# Altium PCB RTM_SFP_no-teardrops.PcbDoc (part 1 of 7) (continued)
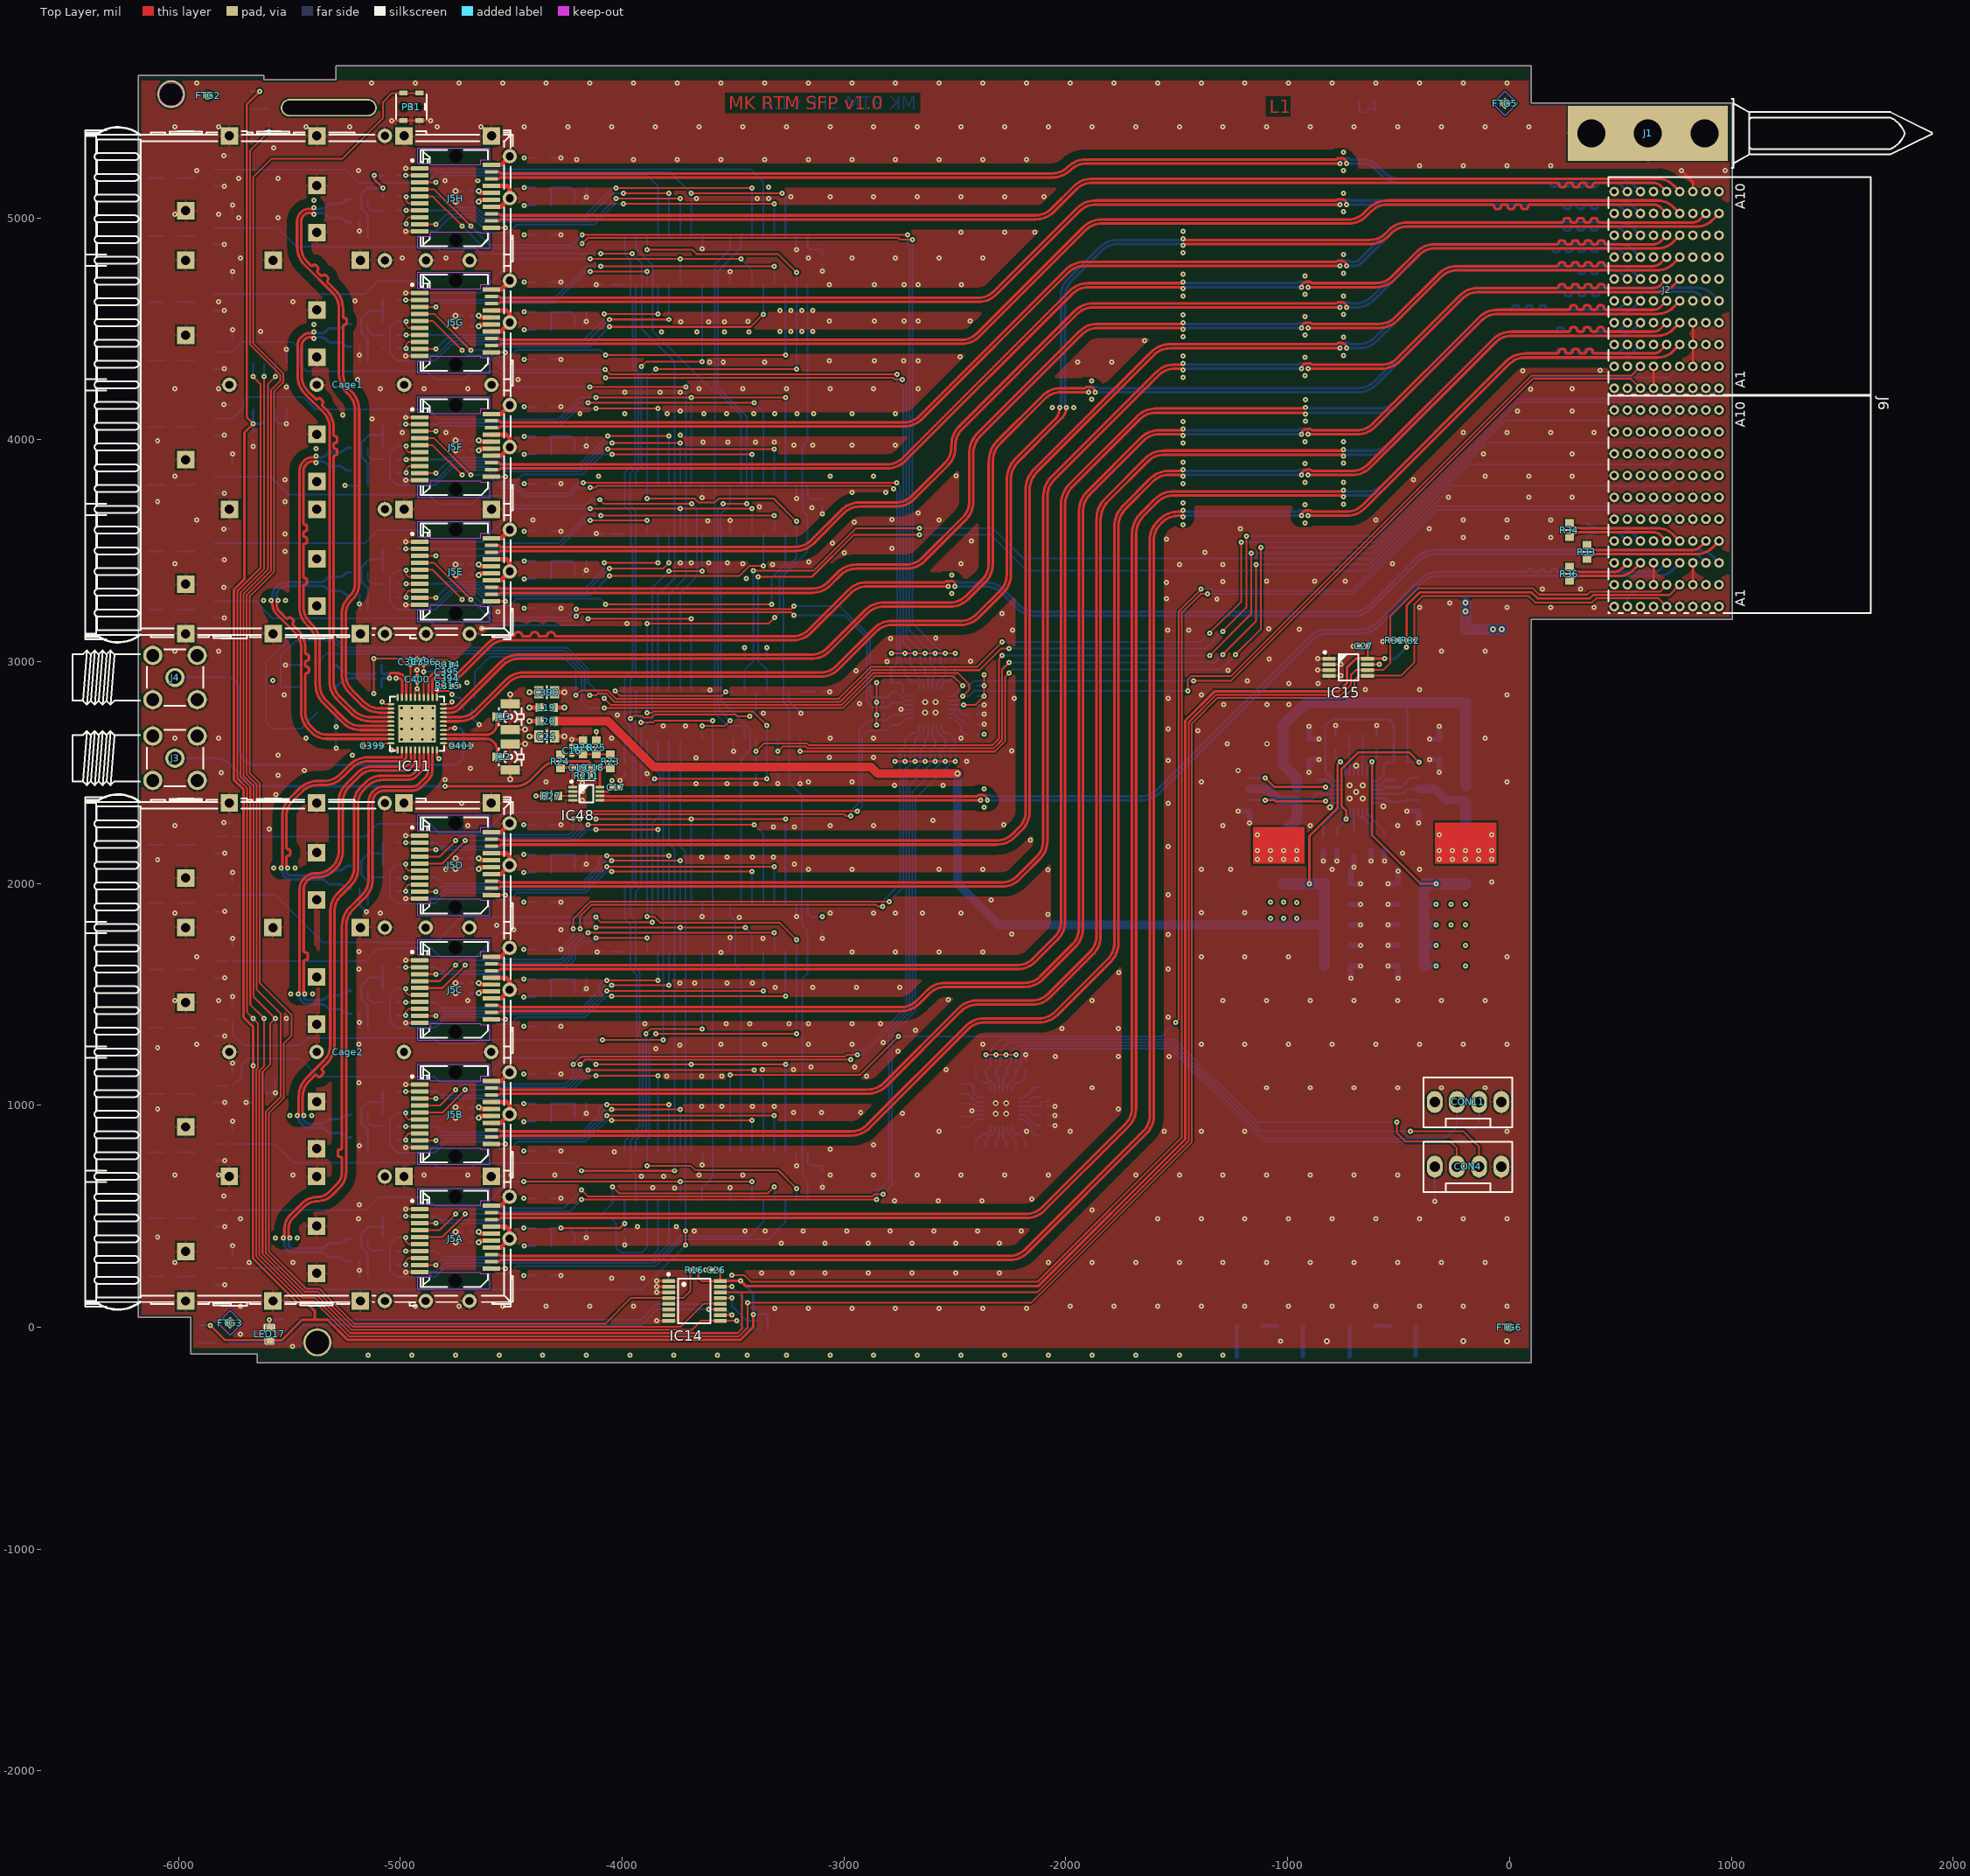
[diagram p0: Top Layer view]
## Components (designator, comment, footprint, x,y, rotation, side; value= is the part's Value field where it differs from the comment) (continued)
C393 "100nF" CAPC0603X33N -5098.82,2919.68 r180 bottom
C394 "100nF" CAPC0603X33N -4790.16,2923.23 r0 top
C395 "100nF" CAPC0603X33N -4790.16,2952.76 r0 top
C396 "100nF" CAPC0603X33N -4894.88,2998.03 r270 top
C397 "100nF" CAPC0603X33N -4953.94,2998.03 r270 top
C399 "100nF" CAPC0603X33N -5124.41,2621.26 r0 top
C400 "100nF" CAPC0603X33N -4924.41,2920.47 r270 top
C401 "100nF" CAPC0603X33N -4724.41,2621.26 r180 top
C402 "100nF" CAPC0603X33N -2098.48,995.67 r180 bottom
C403 "100nF" CAPC0603X33N -337.02,609.84 r90 bottom
C404 "100nF" CAPC0603X33N -2416.93,2803.94 r180 bottom
Cage1 "SFP+" TYCO_2007132-1 -4750.99,4247.5 r0 top locked
Cage2 "SFP+" TYCO_2007132-1 -4751.55,1240.4 r0 top locked
CON4 "WF04S-LF" CON_WF04S-LF -187.02,723.87 r90 top
CON11 "WF04S-LF" CON_WF04S-LF -187.02,1015.21 r90 top
F1 "1.5A-15V" FUSR_TYCO_SMD150F-2 -197.64,2980.71 r270 bottom
FTG1 "Use only in PCB" FIDUCIAL_TOP_S100-200 -5767.72,19.68 r270 bottom
FTG2 "Use only in PCB" FIDUCIAL_TOP_C100-200 -5866.14,5551.18 r90 top
FTG3 "Use only in PCB" FIDUCIAL_TOP_S100-200 -5767.72,19.68 r90 top
FTG4 "Use only in PCB" FIDUCIAL_TOP_C100-200 0,0 r270 bottom
FTG5 "Use only in PCB" FIDUCIAL_TOP_S100-200 -19.68,5515.75 r90 top
FTG6 "Use only in PCB" FIDUCIAL_TOP_C100-200 0,0 r90 top
FTG7 "Use only in PCB" FIDUCIAL_TOP_S100-200 -19.68,5515.75 r270 bottom
FTG8 "Use only in PCB" FIDUCIAL_TOP_C100-200 -5866.14,5551.18 r270 bottom
IC1 "74HC04D" SOIC127P600X175-14N -3348.03,2757.87 r90 bottom locked
IC2 "74HC165D" SOIC127P600X175-16N -3339.17,4808.52 r90 bottom locked
IC3 "74HC4094D" SO-16 -3988.78,4918.52 r270 bottom locked
IC4 "74HC4094D" SO-16 -3988.78,3796.47 r270 bottom locked
IC5 "74HC165D" SOIC127P600X175-16N -3339.17,3686.47 r90 bottom locked
IC6 "74HC4094D" SO-16 -3988.78,1911.43 r270 bottom locked
IC7 "74HC165D" SOIC127P600X175-16N -3339.17,1801.43 r90 bottom locked
IC8 "74HC4094D" SO-16 -3988.78,789.38 r270 bottom locked
IC9 "74HC165D" SOIC127P600X175-16N -3339.17,679.38 r90 bottom locked
IC10 "74HC4094D" SO-16 -3988.78,2867.13 r270 bottom locked
IC11 "nm (CDCLVD1212RHAT)" QFN50P600-40 -4924.41,2720.08 r270 top locked
IC12 "LM75AIM" SOIC127P600X175-8N -5588.8,1223.87 r270 bottom
IC13 "LM75AIM" SOIC127P600X175-8N -5588.8,4239.62 r270 bottom
IC14 "PCA9554DB" SOP65P640X120-16N -3674.41,118.5 r0 top
IC15 "24LC64-I/MS" SOP65P490X110-8N -725.98,2974.8 r0 top
IC16 "TPS53126RGET" QFN50P400X400X100-25N-S255 -691.34,2412.6 r270 bottom locked
IC20A "SN65LVDS2DBVR" SOT95P280X145-5N -5184.25,346.41 r90 bottom (schematic designator IC20)
IC20B "SN65LVDS2DBVR" SOT95P280X145-5N -5184.25,907.48 r90 bottom (schematic designator IC20)
IC20C "SN65LVDS2DBVR" SOT95P280X145-5N -5184.25,1464.57 r90 bottom (schematic designator IC20)
IC20D "SN65LVDS2DBVR" SOT95P280X145-5N -5184.25,2027.56 r90 bottom (schematic designator IC20)
IC20E "SN65LVDS2DBVR" SOT95P280X145-5N -5184.25,3350.39 r90 bottom (schematic designator IC20)
IC20F "SN65LVDS2DBVR" SOT95P280X145-5N -5184.25,3911.81 r90 bottom (schematic designator IC20)
IC20G "SN65LVDS2DBVR" SOT95P280X145-5N -5184.25,4470.87 r90 bottom (schematic designator IC20)
IC20H "SN65LVDS2DBVR" SOT95P280X145-5N -5184.25,5031.5 r90 bottom (schematic designator IC20)
IC39 "MAX7357ETG+" HVQFN24 -2610.97,2794.1 r90 bottom locked
IC40 "MAX7357ETG+" HVQFN24 -2292.52,985.83 r90 bottom locked
IC48 "FIN1101K8X" US8 -4161.42,2403.94 r0 top
J1 "Family" TYCO_1469265-1 624,5381.35 r0 top
J2 "Family" TYCO_6469183-1 708.66,4675.2 r0 top locked
J3 "SMA" "HUBER-SUHNER_85 SMA-50-0-101/111 NE" -6016.16,2564.43 r180 top locked
J4 "SMA" "HUBER-SUHNER_85 SMA-50-0-101/111 NE" -6016.16,2928.2 r180 top locked
J5A "SFP+" TYCO_1888247-1 -4751.56,398.87 r0 top locked (schematic designator J5)
J5B "SFP+" TYCO_1888247-1 -4751.56,959.89 r0 top locked (schematic designator J5)
J5C "SFP+" TYCO_1888247-1 -4751.56,1520.91 r0 top locked (schematic designator J5)
J5D "SFP+" TYCO_1888247-1 -4751.56,2081.94 r0 top locked (schematic designator J5)
J5E "SFP+" TYCO_1888247-1 -4751,3405.96 r0 top locked (schematic designator J5)
J5F "SFP+" TYCO_1888247-1 -4751,3966.98 r0 top locked (schematic designator J5)
J5G "SFP+" TYCO_1888247-1 -4751,4528.01 r0 top locked (schematic designator J5)
J5H "SFP+" TYCO_1888247-1 -4751,5089.03 r0 top locked (schematic designator J5)
J6 "Family" TYCO_6469183-1 708.66,3690.95 r0 top locked
J12 "U.FL" HIROSE_U.FL-R-SMT-1(10) -4504.72,2570.47 r270 top locked
J13 "U.FL" HIROSE_U.FL-R-SMT-1(10) -4504.72,2751.57 r270 top locked
L1 "1.5uH" INDM6965X300N -197.64,2112.99 r270 bottom
L2 "1.5uH" INDM6965X300N -1018.5,2112.99 r270 bottom
L5A "220R@100MHz" INDC2012X105N -4356.3,446.84 r180 bottom (schematic designator L5)
L5B "220R@100MHz" INDC2012X105N -4356.3,1007.87 r180 bottom (schematic designator L5)
L5C "220R@100MHz" INDC2012X105N -4356.3,1568.89 r180 bottom (schematic designator L5)
L5D "220R@100MHz" INDC2012X105N -4356.3,2129.91 r180 bottom (schematic designator L5)
L5E "220R@100MHz" INDC2012X105N -4356.3,3453.94 r180 bottom (schematic designator L5)
L5F "220R@100MHz" INDC2012X105N -4356.3,4014.96 r180 bottom (schematic designator L5)
L5G "220R@100MHz" INDC2012X105N -4356.3,4575.98 r180 bottom (schematic designator L5)
L5H "220R@100MHz" INDC2012X105N -4356.3,5137.01 r180 bottom (schematic designator L5)
L11A "220R@100MHz" INDC2012X105N -4356.3,366.13 r180 bottom (schematic designator L11)
L11B "220R@100MHz" INDC2012X105N -4356.3,927.16 r180 bottom (schematic designator L11)
L11C "220R@100MHz" INDC2012X105N -4356.3,1488.18 r180 bottom (schematic designator L11)
L11D "220R@100MHz" INDC2012X105N -4356.3,2049.21 r180 bottom (schematic designator L11)
L11E "220R@100MHz" INDC2012X105N -4356.3,3373.23 r180 bottom (schematic designator L11)
L11F "220R@100MHz" INDC2012X105N -4356.3,3934.25 r180 bottom (schematic designator L11)
L11G "220R@100MHz" INDC2012X105N -4356.3,4495.28 r180 bottom (schematic designator L11)
L11H "220R@100MHz" INDC2012X105N -4356.3,5056.3 r180 bottom (schematic designator L11)
L19 "390R@100MHz" INDC1608X95N -4339.76,2792.52 r180 top
L20 "390R@100MHz" INDC1608X95N -4339.76,2731.5 r180 top
LD1A "GREEN" LED_AVAGO_HSME-C120 -6137.22,529.48 r90 bottom (schematic designator LD1)
LD1B "GREEN" LED_AVAGO_HSME-C120 -6137.8,1090.55 r90 bottom (schematic designator LD1)
LD1C "GREEN" LED_AVAGO_HSME-C120 -6137.8,1651.57 r90 bottom (schematic designator LD1)
LD1D "GREEN" LED_AVAGO_HSME-C120 -6137.8,2212.6 r90 bottom (schematic designator LD1)
LD1E "GREEN" LED_AVAGO_HSME-C120 -6138.78,3536.42 r90 bottom (schematic designator LD1)
LD1F "GREEN" LED_AVAGO_HSME-C120 -6138.78,4097.44 r90 bottom (schematic designator LD1)
LD1G "GREEN" LED_AVAGO_HSME-C120 -6138.78,4658.46 r90 bottom (schematic designator LD1)
LD1H "GREEN" LED_AVAGO_HSME-C120 -6138.78,5219.49 r90 bottom (schematic designator LD1)
LD2A "Red" LED_AVAGO_HSMC-C120 -6137.22,267.67 r90 bottom (schematic designator LD2)
LD2B "Red" LED_AVAGO_HSMC-C120 -6137.8,828.74 r90 bottom (schematic designator LD2)
LD2C "Red" LED_AVAGO_HSMC-C120 -6137.8,1389.76 r90 bottom (schematic designator LD2)
LD2D "Red" LED_AVAGO_HSMC-C120 -6137.8,1950.79 r90 bottom (schematic designator LD2)
LD2E "Red" LED_AVAGO_HSMC-C120 -6138.78,3274.61 r90 bottom (schematic designator LD2)
LD2F "Red" LED_AVAGO_HSMC-C120 -6138.78,3835.63 r90 bottom (schematic designator LD2)
LD2G "Red" LED_AVAGO_HSMC-C120 -6138.78,4396.65 r90 bottom (schematic designator LD2)
LD2H "Red" LED_AVAGO_HSMC-C120 -6138.78,4957.68 r90 bottom (schematic designator LD2)
LDx "GREEN" LED_AVAGO_HSME-C120 -5909.5,-31.05 r90 bottom
LDy "HSMR-C120" LED_AVAGO_HSME-C120 -5675.25,5530.96 r90 bottom
LED17 "LED0603-P-RW120 or LYN971-Z" LED_0603R -5590.6,-3.61 r270 top
OSC1 "nm (570BBC000121DG)" OSC_SILICON-LAB_SI570 -5372.44,2884.65 r0 bottom
PB1 "Push Button" SW_C&K_HDT0001 -4950.84,5500.45 r0 top
R1A "330" RESC1608X55N -6031.91,490.11 r180 bottom (schematic designator R1)
R1B "330" RESC1608X55N -6032.48,1051.18 r180 bottom (schematic designator R1)
R1C "330" RESC1608X55N -6032.48,1612.2 r180 bottom (schematic designator R1)
R1D "330" RESC1608X55N -6032.48,2173.23 r180 bottom (schematic designator R1)
R1E "330" RESC1608X55N -6033.46,3497.05 r180 bottom (schematic designator R1)
R1F "330" RESC1608X55N -6033.46,4058.07 r180 bottom (schematic designator R1)
R1G "330" RESC1608X55N -6033.46,4619.09 r180 bottom (schematic designator R1)
R1H "330" RESC1608X55N -6033.46,5180.12 r180 bottom (schematic designator R1)
R2 "100" RESC1608X55N -3448.03,2994.09 r270 bottom
R3 "100" RESC1608X55N -3397.64,2521.65 r90 bottom
R4 "100" RESC1608X55N -3198.03,2521.65 r90 bottom
R5 "100" RESC1608X55N -3348.03,2994.09 r270 bottom
R6 "100" RESC1608X55N -3514.17,915.75 r90 bottom
R7 "330" RESC1608X55N -5593.31,5460.09 r90 bottom
R8 "330" RESC1608X55N -5802.18,-70.42 r180 bottom
R9 "330" RESC1608X55N -5495.28,34.25 r180 bottom
R10A "10k" RESC1608X55N -5756.69,559.01 r270 bottom (schematic designator R10)
R10B "10k" RESC1608X55N -5756.69,1120.08 r270 bottom (schematic designator R10)
R10C "10k" RESC1608X55N -5756.69,1681.1 r270 bottom (schematic designator R10)
R10D "10k" RESC1608X55N -5756.69,2242.13 r270 bottom (schematic designator R10)
R10E "10k" RESC1608X55N -5756.69,3565.95 r270 bottom (schematic designator R10)
R10F "10k" RESC1608X55N -5756.69,4126.97 r270 bottom (schematic designator R10)
R10G "10k" RESC1608X55N -5756.69,4687.99 r270 bottom (schematic designator R10)
R10H "10k" RESC1608X55N -5756.69,5249.02 r270 bottom (schematic designator R10)
R11A "330" RESC1608X55N -6031.91,228.3 r180 bottom (schematic designator R11)
R11B "330" RESC1608X55N -6032.48,789.37 r180 bottom (schematic designator R11)
R11C "330" RESC1608X55N -6032.48,1350.39 r180 bottom (schematic designator R11)
R11D "330" RESC1608X55N -6032.48,1911.42 r180 bottom (schematic designator R11)
R11E "330" RESC1608X55N -6033.46,3235.24 r180 bottom (schematic designator R11)
R11F "330" RESC1608X55N -6033.46,3796.26 r180 bottom (schematic designator R11)
R11G "330" RESC1608X55N -6033.46,4357.28 r180 bottom (schematic designator R11)
R11H "330" RESC1608X55N -6033.46,4918.31 r180 bottom (schematic designator R11)
R12A "10k" RESC1608X55N -5756.69,297.2 r270 bottom (schematic designator R12)
R12B "10k" RESC1608X55N -5756.69,858.27 r270 bottom (schematic designator R12)
R12C "10k" RESC1608X55N -5756.69,1419.29 r270 bottom (schematic designator R12)
R12D "10k" RESC1608X55N -5756.69,1980.32 r270 bottom (schematic designator R12)
R12E "10k" RESC1608X55N -5756.69,3304.14 r270 bottom (schematic designator R12)
R12F "10k" RESC1608X55N -5756.69,3865.16 r270 bottom (schematic designator R12)
R12G "10k" RESC1608X55N -5756.69,4426.18 r270 bottom (schematic designator R12)
R12H "10k" RESC1608X55N -5756.69,4987.21 r270 bottom (schematic designator R12)
R13 "100" RESC1608X55N -3298.03,2521.65 r90 bottom
R14 "10k" RESC1005X40N -3360.63,-7.09 r180 bottom
R15 "10k" RESC1005X40N -3360.63,30.32 r180 bottom
R16 "10k" RESC1005X40N -3674.8,257.48 r180 top
R17 "6k8 1%" 0603R -490.16,2547.24 r180 bottom
R18 "1k3 1%" 0603R -630.31,2670.47 r180 bottom
R19 "1M" RESC3216X65N -480.33,6.35 r180 bottom
R20 "1M" RESC3216X65N -663.4,6.35 r180 bottom
R21 "1M" RESC3216X65N -989.19,6.35 r180 bottom
R22 "1M" RESC3216X65N -1172.06,6.35 r180 bottom
R23 "5k1" RESC1608X55N -4052.76,2550.39 r270 top
R24 "5k1" RESC1608X55N -4278.74,2550.39 r270 top
R25 "5k1" RESC1608X55N -4115.75,2613.39 r270 top
R26 "5k1" RESC1608X55N -4176.77,2613.39 r270 top
R27 "5k1" RESC1608X55N -4318.9,2394.09 r180 top
R28 "10k" RESC1005X40N -2416.93,2672.44 r0 bottom
R29 "10k" RESC1005X40N -2098.09,864.17 r0 bottom
R30 "10k" RESC1005X40N -4695.28,2783.07 r180 bottom
R31 "10k" RESC1005X40N -519.3,3096.06 r180 top
R32 "10k" RESC1005X40N -446.46,3096.06 r0 top
R33 "100R" RESC1608X55N 349.21,3494.09 r270 top
R34 "100R" RESC1608X55N 270.08,3592.52 r90 top
R35 "100R" RESC1608X55N 349.21,3592.52 r90 bottom
R36 "100R" RESC1608X55N 270.08,3395.67 r270 top
R53 "4k3 1%" 0603R -630.31,2607.48 r0 bottom
R54 "1k3 1%" 0603R -839.37,2178.35 r270 bottom
R105A "100" RESC1608X55N -5295.28,345.67 r90 bottom (schematic designator R105)
R105B "100" RESC1608X55N -5295.28,907.09 r90 bottom (schematic designator R105)
R105C "100" RESC1608X55N -5295.28,1464.96 r90 bottom (schematic designator R105)
R105D "100" RESC1608X55N -5295.28,2027.17 r90 bottom (schematic designator R105)
R105E "100" RESC1608X55N -5295.28,3350.39 r90 bottom (schematic designator R105)
R105F "100" RESC1608X55N -5295.28,3911.81 r90 bottom (schematic designator R105)
R105G "100" RESC1608X55N -5295.28,4470.87 r90 bottom (schematic designator R105)
R105H "100" RESC1608X55N -5295.28,5031.5 r90 bottom (schematic designator R105)
R107A "0" RESC1608X55N -4902.15,343.46 r0 bottom (schematic designator R107)
R107B "0" RESC1608X55N -4902.15,904.53 r0 bottom (schematic designator R107)
R107C "0" RESC1608X55N -4902.15,1465.55 r0 bottom (schematic designator R107)
R107D "0" RESC1608X55N -4902.15,2026.57 r0 bottom (schematic designator R107)
R107E "0" RESC1608X55N -4902.15,3350.39 r0 bottom (schematic designator R107)
R107F "0" RESC1608X55N -4902.15,3911.42 r0 bottom (schematic designator R107)
R107G "0" RESC1608X55N -4902.15,4472.44 r0 bottom (schematic designator R107)
R107H "0" RESC1608X55N -4902.15,5033.46 r0 bottom (schematic designator R107)
R109A "100" RESC1608X55N -5047.24,343.46 r0 bottom (schematic designator R109)
R109B "100" RESC1608X55N -5047.24,904.53 r0 bottom (schematic designator R109)
R109C "100" RESC1608X55N -5047.24,1465.55 r0 bottom (schematic designator R109)
R109D "100" RESC1608X55N -5047.24,2026.57 r0 bottom (schematic designator R109)
R109E "100" RESC1608X55N -5047.24,3350.39 r0 bottom (schematic designator R109)
R109F "100" RESC1608X55N -5047.24,3911.42 r0 bottom (schematic designator R109)
R109G "100" RESC1608X55N -5047.24,4472.44 r0 bottom (schematic designator R109)
R109H "100" RESC1608X55N -5047.24,5033.47 r0 bottom (schematic designator R109)
R195 "6k8 1%" 0603R -752.36,2607.48 r0 bottom
R211 "51R" 0402R -4161.92,2485.04 r180 top
R246 "5k1" RESC1608X55N -563.39,2178.35 r90 bottom
R248 "3k0 1%" 0603R -752.36,2670.47 r0 bottom
R311 "10k" RESC1005X40N -5558.27,2884.65 r180 bottom
R312 "49R9" RESC1005X40N -5102.76,2886.22 r0 bottom
R313 "49R9" RESC1005X40N -5102.76,2983.07 r0 bottom
R314 "49R9" RESC1005X40N -4786.22,2986.22 r180 top
R315 "49R9" RESC1005X40N -4786.22,2889.76 r180 top
R316 "10k" RESC1005X40N -2498.82,2600 r270 bottom
R317 "10k" RESC1005X40N -2543.9,2600 r270 bottom
R318 "10k" RESC1005X40N -2588.98,2600 r270 bottom
R319 "10k" RESC1005X40N -2634.25,2600 r270 bottom
R320 "10k" RESC1005X40N -2679.53,2600 r270 bottom
R321 "10k" RESC1005X40N -2724.61,2600 r270 bottom
R322 "10k" RESC1005X40N -2804.92,2713.78 r180 bottom
R323 "10k" RESC1005X40N -2804.92,2758.86 r180 bottom
R324 "10k" RESC1005X40N -2416.93,2845.08 r0 bottom
R325 "10k" RESC1005X40N -2416.93,2890.55 r0 bottom
R326 "10k" RESC1005X40N -2416.93,2762.8 r180 bottom
R327 "10k" RESC1005X40N -2416.93,2717.72 r180 bottom
R328 "10k" RESC1005X40N -2498.82,2987.99 r270 bottom
R329 "10k" RESC1005X40N -2804.92,2815.75 r180 bottom
R330 "10k" RESC1005X40N -2804.92,2861.02 r180 bottom
R331 "10k" RESC1005X40N -2804.92,2906.1 r180 bottom
R332 "10k" RESC1005X40N -2724.61,2987.99 r90 bottom
R333 "10k" RESC1005X40N -2679.53,2987.99 r90 bottom
R334 "10k" RESC1005X40N -2634.25,2987.99 r90 bottom
R335 "10k" RESC1005X40N -2588.98,2987.99 r90 bottom
R336 "10k" RESC1005X40N -2543.9,2987.99 r90 bottom
R337 "10k" RESC1005X40N -2180.37,791.72 r270 bottom
R338 "10k" RESC1005X40N -2225.45,791.72 r270 bottom
R339 "10k" RESC1005X40N -2270.53,791.72 r270 bottom
R340 "10k" RESC1005X40N -2315.8,791.72 r270 bottom
R341 "10k" RESC1005X40N -2361.08,791.72 r270 bottom
R342 "10k" RESC1005X40N -2406.16,791.72 r270 bottom
R343 "10k" RESC1005X40N -2486.47,905.5 r180 bottom
R344 "10k" RESC1005X40N -2486.47,950.58 r180 bottom
R345 "10k" RESC1005X40N -2098.48,1036.8 r0 bottom
R346 "10k" RESC1005X40N -2098.48,1082.28 r0 bottom
R347 "10k" RESC1005X40N -2098.48,954.52 r180 bottom
R348 "10k" RESC1005X40N -2098.48,909.44 r180 bottom
R349 "10k" RESC1005X40N -2180.37,1179.91 r270 bottom
R350 "10k" RESC1005X40N -2486.47,1007.47 r180 bottom
R351 "10k" RESC1005X40N -2486.47,1052.75 r180 bottom
R352 "10k" RESC1005X40N -2486.47,1097.83 r180 bottom
R353 "10k" RESC1005X40N -2406.16,1179.91 r90 bottom
R354 "10k" RESC1005X40N -2361.08,1179.91 r90 bottom
R355 "10k" RESC1005X40N -2315.8,1179.91 r90 bottom
R356 "10k" RESC1005X40N -2270.53,1179.91 r90 bottom
R357 "10k" RESC1005X40N -2225.45,1179.91 r90 bottom
R391 "4k3" RESC1608X55N -4695.28,2838.19 r0 bottom
R400A "10k" RESC1608X55N -5047.24,500.78 r180 bottom (schematic designator R400)
R400B "10k" RESC1608X55N -5047.24,1061.8 r180 bottom (schematic designator R400)
R400C "10k" RESC1608X55N -5047.24,1622.83 r180 bottom (schematic designator R400)
R400D "10k" RESC1608X55N -5047.24,2184.1 r180 bottom (schematic designator R400)
R400E "10k" RESC1608X55N -5047.24,3507.87 r180 bottom (schematic designator R400)
R400F "10k" RESC1608X55N -5047.24,4068.9 r180 bottom (schematic designator R400)
R400G "10k" RESC1608X55N -5047.24,4629.92 r180 bottom (schematic designator R400)
R400H "10k" RESC1608X55N -5047.24,5190.94 r180 bottom (schematic designator R400)
R403A "10k" RESC1608X55N -5047.24,404.32 r180 bottom (schematic designator R403)
R403B "10k" RESC1608X55N -5047.24,965.35 r180 bottom (schematic designator R403)
R403C "10k" RESC1608X55N -5047.24,1526.37 r180 bottom (schematic designator R403)
R403D "10k" RESC1608X55N -5047.24,2087.39 r180 bottom (schematic designator R403)
R403E "10k" RESC1608X55N -5047.24,3411.42 r180 bottom (schematic designator R403)
R403F "10k" RESC1608X55N -5047.24,3972.44 r180 bottom (schematic designator R403)
R403G "10k" RESC1608X55N -5047.24,4533.46 r180 bottom (schematic designator R403)
R403H "10k" RESC1608X55N -5047.24,5094.49 r180 bottom (schematic designator R403)
R404A "10k" RESC1608X55N -5047.24,282.47 r180 bottom (schematic designator R404)
R404B "10k" RESC1608X55N -5047.24,843.5 r180 bottom (schematic designator R404)
R404C "10k" RESC1608X55N -5047.24,1404.52 r180 bottom (schematic designator R404)
R404D "10k" RESC1608X55N -5047.24,1965.54 r180 bottom (schematic designator R404)
R404E "10k" RESC1608X55N -5047.24,3289.57 r180 bottom (schematic designator R404)
R404F "10k" RESC1608X55N -5047.24,3850.59 r180 bottom (schematic designator R404)
R404G "10k" RESC1608X55N -5047.24,4411.22 r180 bottom (schematic designator R404)
R404H "10k" RESC1608X55N -5047.24,4972.64 r180 bottom (schematic designator R404)
T1A "BSS138LT1G" SOT95P240X110-3N -5880.33,228.3 r180 bottom (schematic designator T1)
T1B "BSS138LT1G" SOT95P240X110-3N -5880.91,789.37 r180 bottom (schematic designator T1)
T1C "BSS138LT1G" SOT95P240X110-3N -5880.91,1350.39 r180 bottom (schematic designator T1)
T1D "BSS138LT1G" SOT95P240X110-3N -5880.91,1911.42 r180 bottom (schematic designator T1)
T1E "BSS138LT1G" SOT95P240X110-3N -5881.89,3235.24 r180 bottom (schematic designator T1)
T1F "BSS138LT1G" SOT95P240X110-3N -5881.89,3796.26 r180 bottom (schematic designator T1)
T1G "BSS138LT1G" SOT95P240X110-3N -5881.89,4357.28 r180 bottom (schematic designator T1)
T1H "BSS138LT1G" SOT95P240X110-3N -5881.89,4918.31 r180 bottom (schematic designator T1)
T2A "BSS138LT1G" SOT95P240X110-3N -5880.33,490.11 r180 bottom (schematic designator T2)
T2B "BSS138LT1G" SOT95P240X110-3N -5880.91,1051.18 r180 bottom (schematic designator T2)
T2C "BSS138LT1G" SOT95P240X110-3N -5880.91,1612.2 r180 bottom (schematic designator T2)
T2D "BSS138LT1G" SOT95P240X110-3N -5880.91,2173.23 r180 bottom (schematic designator T2)
T2E "BSS138LT1G" SOT95P240X110-3N -5881.89,3497.05 r180 bottom (schematic designator T2)
T2F "BSS138LT1G" SOT95P240X110-3N -5881.89,4058.07 r180 bottom (schematic designator T2)
T2G "BSS138LT1G" SOT95P240X110-3N -5881.89,4619.09 r180 bottom (schematic designator T2)
T2H "BSS138LT1G" SOT95P240X110-3N -5881.89,5180.12 r180 bottom (schematic designator T2)
T5 "IRF9910Pbf" SOIC127P600X175-8N -1064.96,2400.79 r0 bottom
T6 "IRF9910Pbf" SOIC127P600X175-8N -303.94,2400.79 r0 bottom

## Footprints (in the part's own frame and the unit in brackets; to place one, negate y for a bottom-side part, rotate by r counter-clockwise, add the part's x,y. Pads: shape width x height; smd on the part's side, far side on the other; paste and mask are expansions set on the pad)
0402R [mm]
  rect 0.6x0.6 smd: 1(-0.45,0) 2(0.45,0)
  silkscreen extent -0.99,-0.5 0.97,0.5, body extent -0.52,-0.27 0.53,0.28, height 0.4
0603R [mm]
  rect 0.9x1 smd: 1(-0.8,0) 2(0.8,0)
  silkscreen extent -1.42,-0.69 1.42,0.69, body extent -0.87,-0.47 0.88,0.48, height 0.55
CAPC0603X33N [mm] "Chip Capacitor, Body 0.6x0.30mm, IPC Medium Density"
  rect 0.45x0.4 smd: 1(-0.35,0) 2(0.35,0)
  body extent -0.31,-0.16 0.32,0.17, height 0.33
CAPC1005X55N [mm] "Chip Capacitor, Body 1.0x0.55mm, IPC Medium Density"
  rect 0.62x0.62 smd: 1(-0.45,0) 2(0.45,0)
  body extent -0.52,-0.27 0.53,0.28, height 0.55
CAPC1608X87N [mm] "Chip Capacitor, Body 1.6x0.8mm IPC Medium Density"
  rect 0.95x1 smd: 1(-0.8,0) 2(0.8,0)
  silkscreen extent 0,-0.5 0,0.5, body extent -0.87,-0.47 0.88,0.48, height 0.87
CAPC2012X135N [mm] "Chip Capacitor, Body 2.0x1.25mm, IPC Medium Density"
  rect 1.05x1.4 smd: 1(-0.9,0) 2(0.9,0)
  silkscreen extent 0,-0.7 0,0.7, body extent -1.05,-0.67 1.05,0.68, height 1.25
CAPC3216X140N [mm] "Chip Capacitor, Body 3.2x1.6mm, IPC Medium Density"
  rect 1.15x1.8 smd: 1(-1.5,0) 2(1.5,0)
  silkscreen extent -0.5,-0.9 0.5,0.9, body extent -1.7,-0.9 1.7,0.9, height 1.4
CAPC3216X180N [mm] "Chip Capacitor, Body 3.2x1.6mm, IPC Medium Density"
  rect 1.15x1.8 smd: 1(-1.5,0) 2(1.5,0)
  silkscreen extent -0.55,-0.8 0.55,0.8, body extent -1.7,-0.9 1.7,0.9, height 1.8
CON_WF04S-LF [mm]
  oval 2.5x1.8 hole 1.2 paste-1: 1(0,-3.81) 2(0,-1.27) 3(0,1.27) 4(0,3.81)
  silkscreen extent -2.92,-5.08 2.82,5.08, body extent -2.95,-5.05 2.85,5.11, height 11.7
FIDUCIAL_TOP_C100-200 [mm] "Round Fiducial Target, Top Layer, 1.0mm, Top Solder 2.0mm, Keepout =2.0mm"
  round 1 smd paste-0.51 mask+0.5: FTG2(0,0)
FIDUCIAL_TOP_S100-200 [mm] "Square Fiducial Target, Top Layer, 1.0mm, Top Solder 2.0mm, Keepout =2.0mm"
  rect 1x1 smd rot 45 paste-0.51 mask+0.5: 1(0,0)
  Top Layer keep-out region: 1.414,0 0,-1.414 -1.414,0 0,1.414
FUSR_TYCO_SMD150F-2 [mm] "PolySwitch, 2-Leads, Body 8.7x6.35mm Nominal"
  rect 2.3x4.6 smd: 1(-4.2,0) 2(4.2,0)
  silkscreen extent -4.7,-3.36 4.7,3.36, body extent -4.7,-3.35 4.7,3.36, height 3
HIROSE_U.FL-R-SMT-1(10) [mm] "Up to 6GHz Ultra Small Surface Mount Male Coaxial Connectors U.FL Series"
  rect 1x1.05 smd: 1(0,-1.525)
  rect 1.05x2.2 smd: 2(-1.475,0) 2(1.475,0)
  silkscreen extent -1,-1.3 1,1.55, body extent -1.5,-1.55 1.5,1.55, height 1.25
"HUBER-SUHNER_85 SMA-50-0-101/111 NE" [mm] "50 Ohm SMA Right Angle PCB Jack"
  round 2.2 hole 1.5: 1(0,0) 2(-2.54,2.54) 2(-2.54,-2.54) 2(2.54,2.54) 2(2.54,-2.54)
  silkscreen extent -3.23,-3.23 11.73,3.23, body extent -3.23,-3.23 11.73,3.23, height 9.6
HVQFN24 [mm]
  oval 0.8x0.25 smd: 1(-2.05,1.25) 2(-2.05,0.75) 3(-2.05,0.25) 4(-2.05,-0.25) 5(-2.05,-0.75) 6(-2.05,-1.25) 13(2.05,-1.25) 14(2.05,-0.75) 15(2.05,-0.25) 16(2.05,0.25) 17(2.05,0.75) 18(2.05,1.25)
  oval 0.25x0.8 smd: 7(-1.25,-2.05) 8(-0.75,-2.05) 9(-0.25,-2.05) 10(0.25,-2.05) 11(0.75,-2.05) 12(1.25,-2.05) 19(1.25,2.05) 20(0.75,2.05) 21(0.25,2.05) 22(-0.25,2.05) 23(-0.75,2.05) 24(-1.25,2.05)
  rect 2.3x2.3 smd: 25(0,0)
  silkscreen extent -3.12,-2.05 2.05,2.05, body extent -2.11,-2.11 2.11,2.11, height 0.4
INDC1608X95N [mm] "Chip Inductor, 2-Leads, EIA 0603, Metric 1608, Body 1.6x0.8mm, IPC Medium Density"
  rect 0.95x1 smd: 1(-0.8,0) 2(0.8,0)
  body extent -0.87,-0.47 0.88,0.48, height 0.95
INDC2012X105N [mm] "Chip Inductor, EIA 0805, Metric 2012, Body 2.0x1.25mm, IPC Medium Density"
  rect 1.15x1.45 smd: 1(-0.9,0) 2(0.9,0)
  silkscreen extent 0,-0.8 0,0.8, body extent -1.1,-0.7 1.1,0.7, height 1.1
INDM6965X300N [mm] "Inductor Molded Body, Body 6.86mm L X 6.47mm W X 3mm H, IPC Medium Density"
  rect 2.4x3.4 smd: 1(-2.9,0) 2(2.9,0)
  silkscreen extent -3.4,-3.25 3.4,3.25, body extent -3.62,-3.36 3.62,3.36, height 3
LED_0603R [mil]
  rect 30x30 smd: A(55,0) K(0,0)
  silkscreen extent -19,-22 73,22, body extent -10,-15 65,15, height 28
LED_AVAGO_HSMC-C120 [mm] "Red Chip LED, 2-Leads, Body 1.7x1.1mm, Side Emitting Package"
  rect 0.8x0.7 smd: 1(-1,0) 2(1,0)
  rect 0.4x0.4 smd: 3(0,0.35)
  silkscreen extent -1.12,-0.8 0.51,0.92, body extent -0.85,-0.8 0.85,0.3, height 0.7
LED_AVAGO_HSME-C120 [mm] "Green Chip LED, 2-Leads, Body 1.7x1.1mm, Side Emitting Package"
  rect 0.8x0.7 smd: 1(-1,0) 2(1,0)
  rect 0.4x0.4 smd: 3(0,0.35)
  silkscreen extent -1.12,-0.8 0.51,0.92, body extent -0.85,-0.8 0.85,0.3, height 0.7
OSC_SILICON-LAB_SI570 [mm] "Oscillator Si570 Serie, 8 pins, 5x7mm"
  rect 2.15x1.7 smd: 1(-2.1,2.54) 2(-2.1,0) 3(-2.1,-2.54) 4(2.1,-2.54) 5(2.1,0) 6(2.1,2.54)
  rect 1.3x1.545 smd: 7(0,2.853) 8(0,-2.853)
  silkscreen extent -4,-1.75 0.65,2.75, body extent -2.5,-3.5 2.5,3.5, height 1.85
QFN50P400X400X100-25N-S255 [mm] "QFN,0.50mm pitch,square;6 pin X 6 pin,4.15mm X 4.15mm X 1.00mm H body (w/thermal tab 2.55 X 2.55mm),  IPC Medium Density"
  oval 0.9x0.3 smd: 1(-1.95,1.25) 2(-1.95,0.75) 3(-1.95,0.25) 4(-1.95,-0.25) 5(-1.95,-0.75) 6(-1.95,-1.25) 13(1.95,-1.25) 14(1.95,-0.75) 15(1.95,-0.25) 16(1.95,0.25) 17(1.95,0.75) 18(1.95,1.25)
  oval 0.3x0.9 smd: 7(-1.25,-1.95) 8(-0.75,-1.95) 9(-0.25,-1.95) 10(0.25,-1.95) 11(0.75,-1.95) 12(1.25,-1.95) 19(1.25,1.95) 20(0.75,1.95) 21(0.25,1.95) 22(-0.25,1.95) 23(-0.75,1.95) 24(-1.25,1.95)
  rect 2.55x2.55 smd: 25(0,0)
  silkscreen extent -2.77,-2.1 2.1,2.1, body extent -2.07,-2.07 2.08,2.08, height 1
QFN50P600-40 [mm]
  oval 0.8x0.25 smd: 1(-3,2.25) 2(-3,1.75) 3(-3,1.25) 4(-3,0.75) 5(-3,0.25) 6(-3,-0.25) 7(-3,-0.75) 8(-3,-1.25) 9(-3,-1.75) 10(-3,-2.25) 21(3,-2.25) 22(3,-1.75) 23(3,-1.25) 24(3,-0.75) 25(3,-0.25) 26(3,0.25) 27(3,0.75) 28(3,1.25) 29(3,1.75) 30(3,2.25)
  oval 0.25x0.8 smd: 11(-2.25,-3) 12(-1.75,-3) 13(-1.25,-3) 14(-0.75,-3) 15(-0.25,-3) 16(0.25,-3) 17(0.75,-3) 18(1.25,-3) 19(1.75,-3) 20(2.25,-3) 31(2.25,3) 32(1.75,3) 33(1.25,3) 34(0.75,3) 35(0.25,3) 36(-0.25,3) 37(-0.75,3) 38(-1.25,3) 39(-1.75,3) 40(-2.25,3)
  rect 4.3x4.3 smd: 41(0,0)
  silkscreen extent -4.07,-3.1 3.1,3.1, body extent -3,-3 3,3, height 1
RESC1005X40N [mm] "Chip Resistor, EIA 0402, Metric 1005, Body 1.0x0.5mm, IPC Medium Density"
  rect 0.6x0.6 smd: 1(-0.45,0) 2(0.45,0)
  body extent -0.52,-0.27 0.53,0.28, height 0.4
RESC1608X55N [mm] "Chip Resistor, EIA 0603, Metric 1608, Body 1.6x0.8mm, IPC Medium Density"
  rect 0.9x1 smd: 1(-0.8,0) 2(0.8,0)
  silkscreen extent 0,-0.5 0,0.5, body extent -0.87,-0.47 0.88,0.48, height 0.55
RESC3216X65N [mm] "Chip Resistor, EIA 1206, Metric 3216, Body 3.2x1.6mm, IPC Medium Density"
  rect 1.15x1.8 smd: 1(-1.45,0) 2(1.45,0)
  silkscreen extent -0.5,-0.9 0.5,0.9, body extent -1.67,-0.87 1.68,0.88, height 0.65
SO-16 [mil]
  oval 80x24 smd: 1(0,0) 2(0,-50) 3(0,-100) 4(0,-150) 5(0,-200) 6(0,-250) 7(0,-300) 8(0,-350) 9(220,-350) 10(220,-300) 11(220,-250) 12(220,-200) 13(220,-150) 14(220,-100) 15(220,-50) 16(220,0)
  silkscreen extent 60,-375 160,25, body extent -16,-372 228,22, height 69
SOIC127P600X175-8N [mm] "SOIC 8, Pitch 1.27mm - Body 4x5mm, IPC Medium Density"
  rect 1.55x0.6 smd: 1(-2.7,1.905) 2(-2.7,0.635) 3(-2.7,-0.635) 4(-2.7,-1.905) 5(2.7,-1.905) 6(2.7,-0.635) 7(2.7,0.635) 8(2.7,1.905)
  silkscreen extent -2.52,-2.5 1.55,2.88, body extent -3.1,-2.5 3.1,2.5, height 1.75
SOIC127P600X175-14N [mm] "SOIC 14, Pitch 1.27mm - Body 4x8.75mm, IPC Medium Density"
  rect 1.55x0.6 smd: 1(-2.7,3.81) 2(-2.7,2.54) 3(-2.7,1.27) 4(-2.7,0) 5(-2.7,-1.27) 6(-2.7,-2.54) 7(-2.7,-3.81) 8(2.7,-3.81) 9(2.7,-2.54) 10(2.7,-1.27) 11(2.7,0) 12(2.7,1.27) 13(2.7,2.54) 14(2.7,3.81)
  silkscreen extent -2.52,-4.4 1.55,4.79, body extent -3.1,-4.37 3.1,4.38, height 1.75
SOIC127P600X175-16N [mm] "SOIC 16, Pitch 1.27mm - Body 4x10mm, IPC Medium Density"
  rect 1.55x0.6 smd: 1(-2.7,4.445) 2(-2.7,3.175) 3(-2.7,1.905) 4(-2.7,0.635) 5(-2.7,-0.635) 6(-2.7,-1.905) 7(-2.7,-3.175) 8(-2.7,-4.445) 9(2.7,-4.445) 10(2.7,-3.175) 11(2.7,-1.905) 12(2.7,-0.635) 13(2.7,0.635) 14(2.7,1.905) 15(2.7,3.175) 16(2.7,4.445)
  silkscreen extent -2.45,-5 1.55,5.38, body extent -3.1,-5 3.1,5, height 1.75
SOP65P490X110-8N [mm] "SOP, 0.65mm pitch; 8 pin, 3.00mm W X 3.00mm L X 1.10mm H body, IPC Medium Density"
  rect 1.5x0.45 smd: 1(-2.2,0.975) 2(-2.2,0.325) 3(-2.2,-0.325) 4(-2.2,-0.975) 5(2.2,-0.975) 6(2.2,-0.325) 7(2.2,0.325) 8(2.2,0.975)
  silkscreen extent -2.82,-1.5 1.12,1.82, body extent -2.45,-1.55 2.45,1.55, height 1.1
SOP65P640X120-16N [mm] "SOP, 0.65mm pitch; 16 pin, 4.40mm W X 5.00mm L X 1.20mm H body IPC Medium Density"
  rect 1.45x0.45 smd: 1(-2.95,2.275) 2(-2.95,1.625) 3(-2.95,0.975) 4(-2.95,0.325) 5(-2.95,-0.325) 6(-2.95,-0.975) 7(-2.95,-1.625) 8(-2.95,-2.275) 9(2.95,-2.275) 10(2.95,-1.625) 11(2.95,-0.975) 12(2.95,-0.325) 13(2.95,0.325) 14(2.95,0.975) 15(2.95,1.625) 16(2.95,2.275)
  silkscreen extent -3.07,-2.55 1.85,3.17, body extent -3.12,-2.55 3.12,2.55, height 1.2
SOT95P240X110-3N [mm] "SOT23 3-Leads, Pitch 0.95mm - Body 1.3x2.9mm, IPC Medium Density"
  rect 1.05x0.65 smd: 1(-1.15,0.95) 2(-1.15,-0.95) 3(1.15,0)
  silkscreen extent -1.53,-1.45 0.3,1.92, body extent -1.25,-1.5 1.25,1.5, height 1.1
SOT95P280X145-5N [mm] "SOT, 0.95mm pitch; 5 pin, 1.60mm W X 2.90mm L X 1.45mm H body, IPC Medium Density"
  rect 1.1x0.6 smd: 1(-1.3,0.95) 2(-1.3,0) 3(-1.3,-0.95) 4(1.3,-0.95) 5(1.3,0.95)
  silkscreen extent -1.72,-1.45 0.43,1.88, body extent -1.4,-1.5 1.4,1.5, height 1.45
SW_C&K_HDT0001 [mm] "Micro Mini Surface Mount Detect Switches, HDT Serie"
  rect 0.95x0.55 smd: 1(-0.925,1.575) 2(0.925,1.575) 3(-0.925,-1.575) 4(0.925,-1.575)
  round 0.5 hole 0.85 unplated mask+0.175: 5(-0.85,0)
  round 0.5 hole 0.65 unplated mask+0.075: 10(0.85,0)
  silkscreen extent -1.75,-1.4 1.75,1.4, body extent -1.75,-1.65 1.75,1.65, height 3.35
TYCO_1469265-1 [mm] "Universal Right Angle Male Power Module Guide (keyed)"
  round 3.9 hole 3.2: 1(-6.48,0) 1(6.48,0)
  rect 18.3x6.3 smd paste-4.15 mask-4.15: 1(0,0)
  round 6 hole 3.2: 1(0,0)
  silkscreen extent 9.58,-3.96 32.55,3.94, body extent -8.92,-3.95 32.53,3.95, height 9.7
TYCO_1888247-1 [mm] "20 Position, Pitch 0.8mm SFP Receptacle (Small Form-factor Pluggable)"
  rect 2x0.5 smd: 1(-4.1,3.395) 2(-4.1,2.595) 3(-4.1,1.795) 4(-4.1,0.995) 5(-4.1,0.195) 6(-4.1,-0.605) 7(-4.1,-1.405) 8(-4.1,-2.205) 9(-4.1,-3.005) 10(-4.1,-3.805) 11(4.1,-3.405) 14(4.1,-1.005) 15(4.1,-0.205) 16(4.1,0.595) 17(4.1,1.395) 20(4.1,3.795)
  rect 1.5x0.4 smd: 12(4.1,-2.605) 13(4.1,-1.805) 18(4.1,2.195) 19(4.1,2.995)
  round 1 hole 1.55 unplated mask+0.28: MTG1(0,4.795) MTG2(0,-4.805)
  Top Layer keep-out lines w0.1: -4.34,-5.755 -4.34,-4.395 -2.88,-4.395 -2.88,-3.855 2.88,-3.855 2.88,-3.995 3.94,-3.995 3.94,-4.805 3.94,-5.755 -4.34,-5.755 ; -4.34,3.985 -4.34,5.745 3.94,5.745 3.94,4.385 2.88,4.385 2.88,3.845 -2.88,3.845 -2.88,3.985 -4.34,3.985
  silkscreen extent -42.4,-7.77 6.3,7.77, body extent -4.5,-5.5 4.5,5.5, height 5.22